# Altium PCB radioboard.PcbDoc (part 1 of 9) (continued)
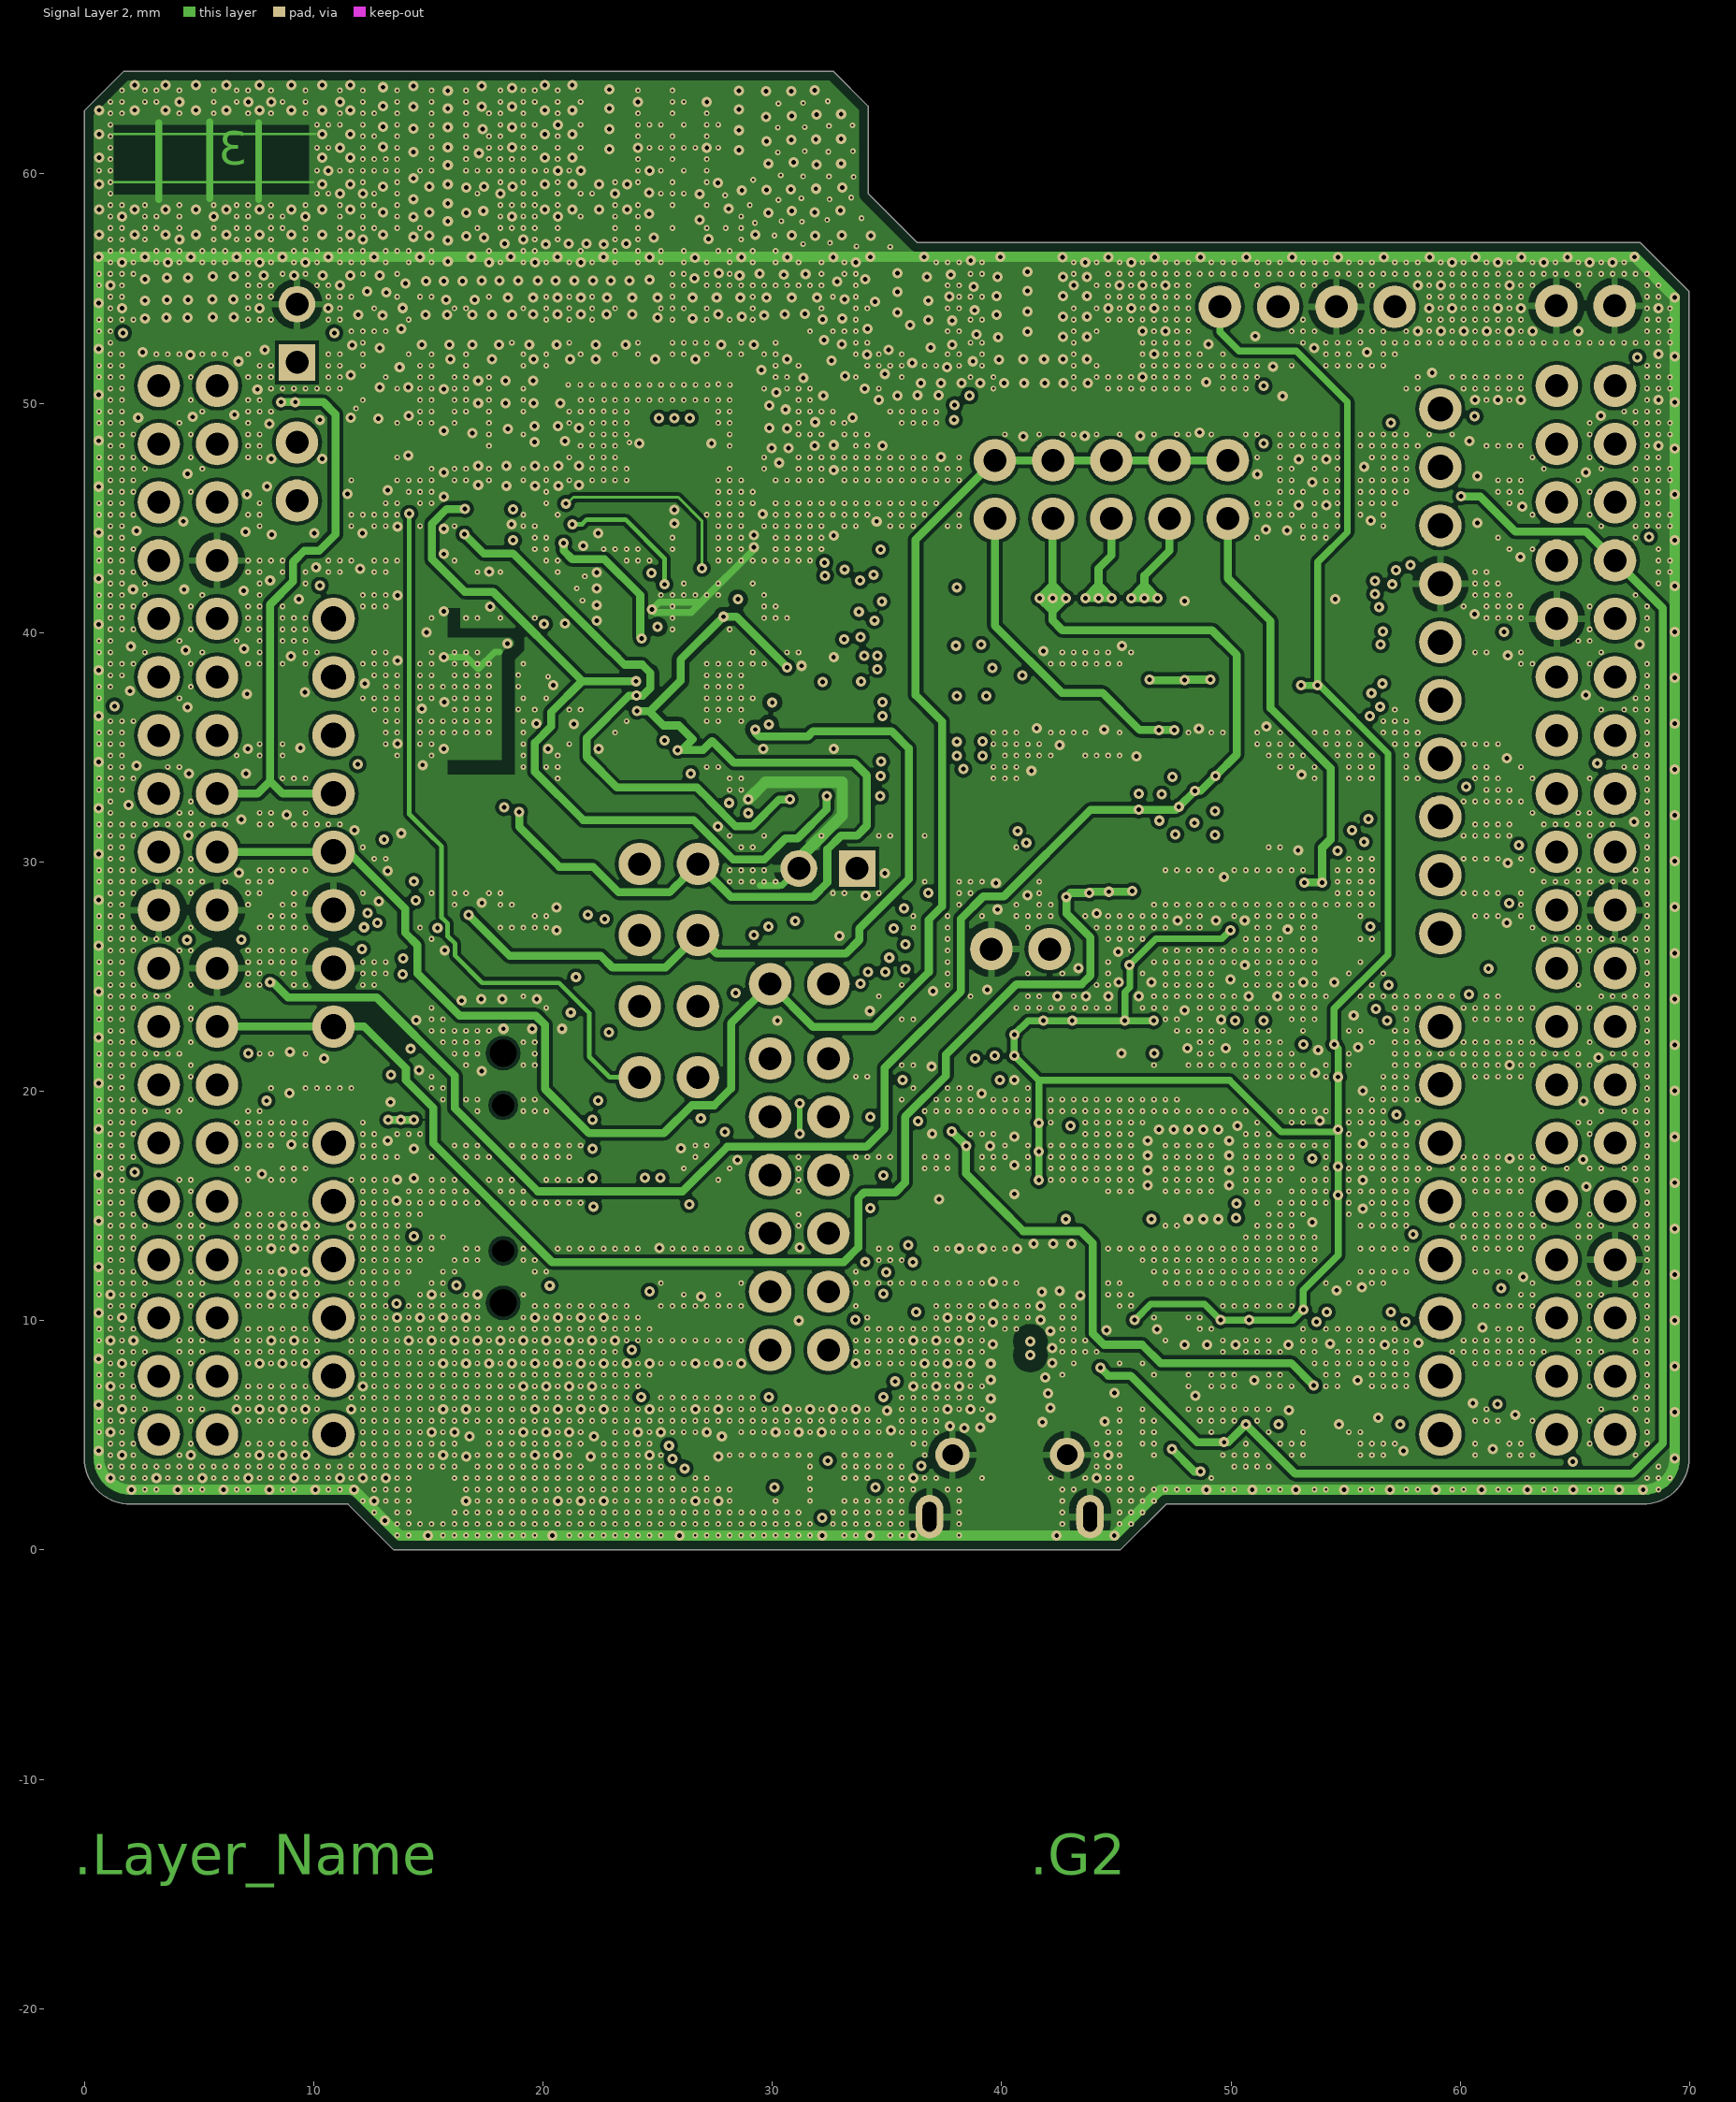
[diagram p3: Signal Layer 2]
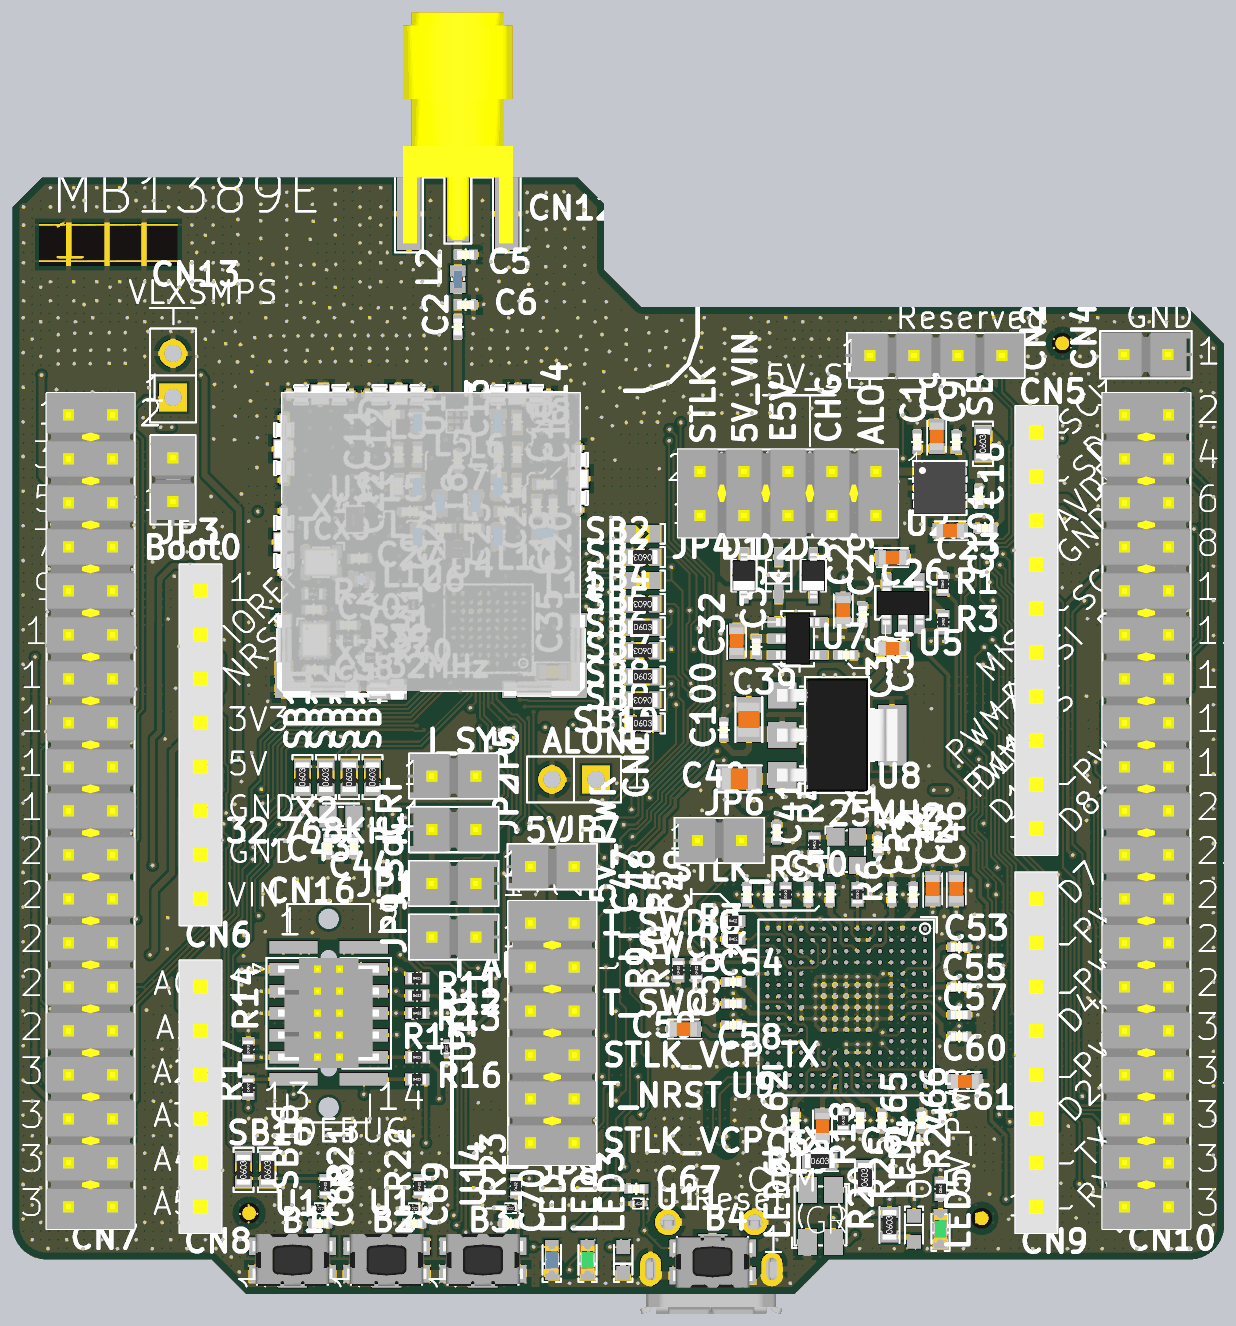
[diagram p12: 3D render of the assembled board from above, using the file's embedded part models]
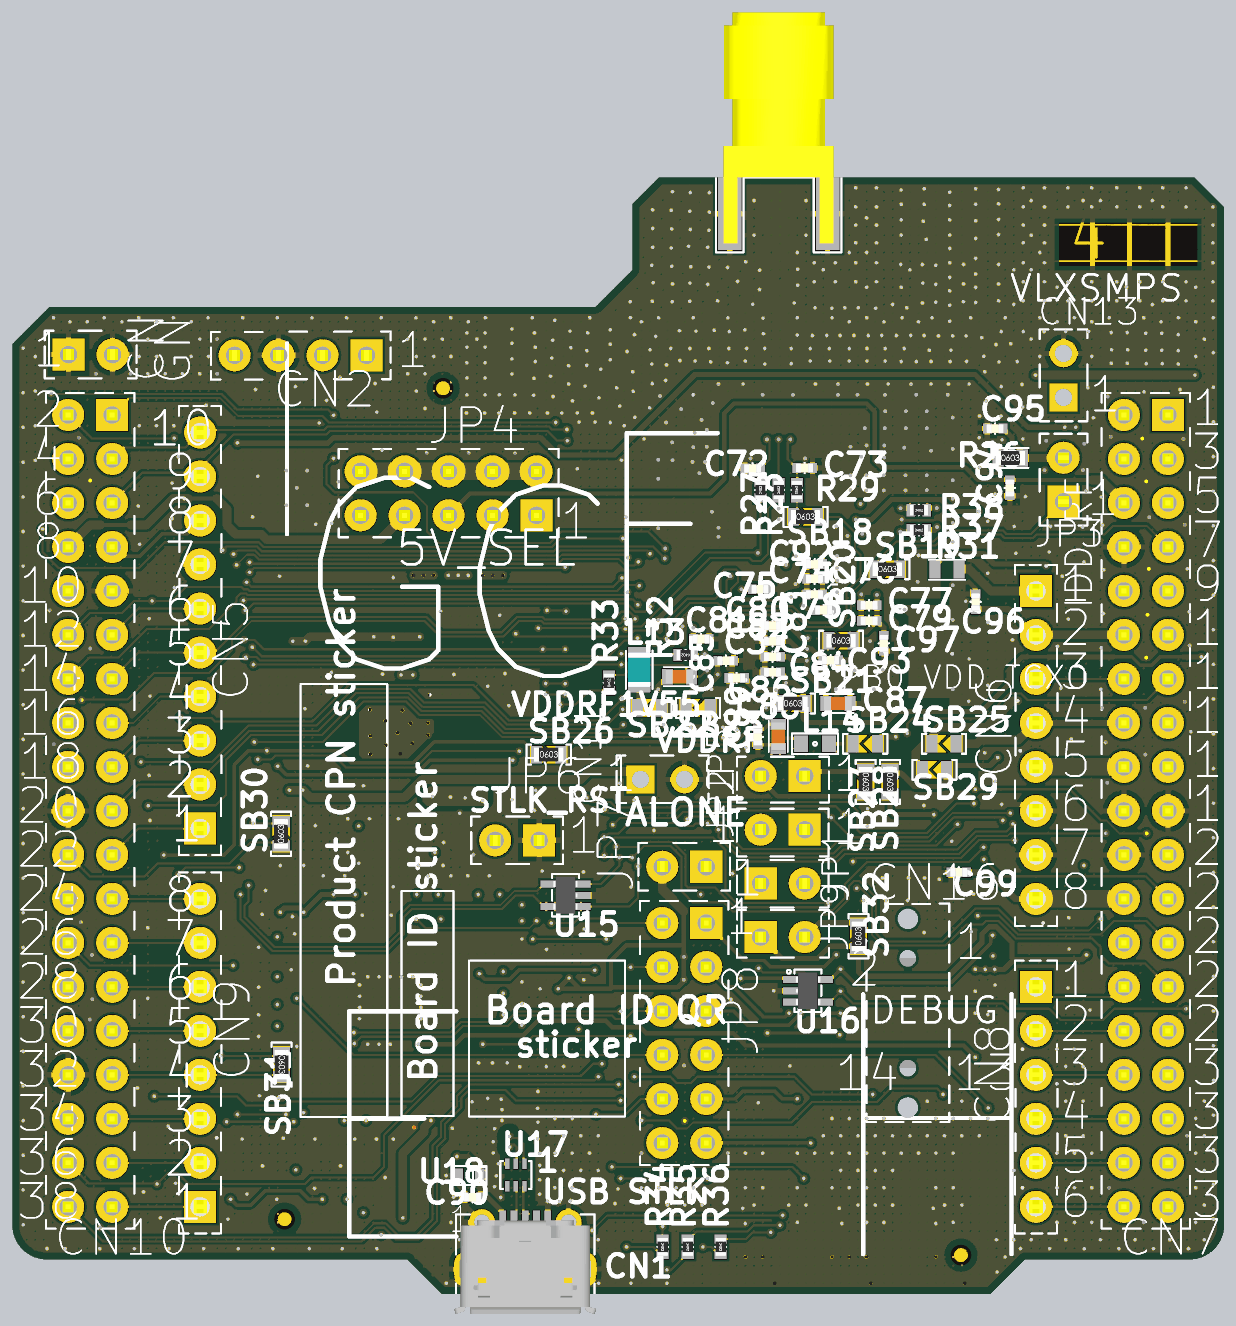
[diagram p13: 3D render of the assembled board from below, using the file's embedded part models]

## Layer stack, top to bottom
Top Solder: solder mask 0.02, Solder Resist, Dk 3.5
Top Layer: signal copper 0.035
Dielectric 1: prepreg 0.076, 1080HR RC68, Dk 4.18
Signal Layer 1: signal copper 0.035
Dielectric 2: core 1.268, 7 x 7628, Dk 4.74
Signal Layer 2: signal copper 0.035
Dielectric 3: prepreg 0.076, 1080HR RC68, Dk 4.18
Bottom Layer: signal copper 0.035
Bottom Solder: solder mask 0.02, Solder Resist, Dk 3.5

## Board outline
2,2 11.498,2 13.498,0 45.17,0 47.17,2 67.972,2 ccw(c67.972,4) 69.972,4 69.972,54.877 67.848,57 36.316,57 36.316,57.001 34.174,59.143 34.174,62.953 32.65,64.477 1.723,64.477 0,62.751 0,4 ccw(c2,4)

## Design rules (kind name [scope] priority, off if disabled: settings)
BoardOutlineClearance [All] p1: gap=0.4 ignorepadtopadclearanceinfootprint=FALSE
Clearance "Stitching GND L1-2" [IsStitchingVia and InNet('GND') vs (IsVia and (Not IsStitchingVia)) Or IsPad] p1: gap=0.12 ignorepadtopadclearanceinfootprint=FALSE
Clearance Clearance_BGA-U13 [WithinRoom('RoomDefinition_U13_90-90') And TouchesRoom('RoomDefinition_U13_90-90')] p2: gap=0.12 ignorepadtopadclearanceinfootprint=TRUE except(0.09: Track-Track Track-SMDPad; 0.11: Arc-Via Track-Via SMDPad-Via THPad-Via Via-Via; 0.2: Arc-THPad Arc-Fill Arc-Poly Track-THPad Track-Fill Track-Poly SMDPad-SMDPad SMDPad-THPad SMDPad-Fill SMDPad-Poly THPad-THPad THPad-Fill THPad-Poly Via-Fill Via-Poly Fill-Fill Fill-Poly Poly-Poly)
Clearance Clearance_RFI_DIFF-100R_L1-L2 [InNetClass('NC_RFI_DIFF-100R_L1-L2')] p3: gap=0.152 ignorepadtopadclearanceinfootprint=TRUE except(0.323: Track-Track; 0.646: Arc-Poly Track-Poly SMDPad-Poly THPad-Poly Via-Poly Fill-Poly Poly-Poly)
Clearance Clearance_USB_DEV_HS_CN_DIFF-90R_L4-L3 [InNetClass('NC_USB_DEV_HS_CN_DIFF-90R_L4-L3')] p4: gap=0.152 ignorepadtopadclearanceinfootprint=TRUE except(0.262: Track-Track; 0.524: Arc-Poly Track-Poly SMDPad-Poly THPad-Poly Via-Poly Fill-Poly Poly-Poly)
Clearance Clearance_USB_DEV_HS_DIFF-90R_L4-L3 [InNetClass('NC_USB_DEV_HS_DIFF-90R_L4-L3')] p5: gap=0.152 ignorepadtopadclearanceinfootprint=TRUE except(0.262: Track-Track; 0.524: Arc-Poly Track-Poly SMDPad-Poly THPad-Poly Via-Poly Fill-Poly Poly-Poly)
Clearance Clearance_TX_SINGLE_L1-L2 [InNetClass('NC_TX_SINGLE_L1-L2')] p6: gap=0.152 ignorepadtopadclearanceinfootprint=TRUE except(0.2: SMDPad-SMDPad Fill-Fill; 0.3: Poly-Poly)
Clearance Clearance_RFO_SINGLE_L1-L2 [InNetClass('NC_RFO_SINGLE_L1-L2')] p7: gap=0.152 ignorepadtopadclearanceinfootprint=TRUE except(0.2: SMDPad-SMDPad Fill-Fill; 0.3: Poly-Poly)
Clearance Clearance_RF-SP3T_SINGLE-50R_L1-L3 [InNetClass('NC_RF-SP3T_SINGLE-50R_L1-L3')] p8: gap=0.145 ignorepadtopadclearanceinfootprint=TRUE except(0.2: SMDPad-SMDPad Fill-Fill; 0.3: Poly-Poly)
Clearance Clearance_TX-SP3T_SINGLE-50R_L1-L2 [InNetClass('NC_TX-SP3T_SINGLE-50R_L1-L2')] p9: gap=0.152 ignorepadtopadclearanceinfootprint=TRUE except(0.2: SMDPad-SMDPad Fill-Fill; 0.3: Poly-Poly)
Clearance Clearance_RF_SINGLE-50R_L2-L1-2 [InNetClass('NC_RF_SINGLE-50R_L2-L1-2')] p10: gap=0.152 ignorepadtopadclearanceinfootprint=TRUE except(0.2: SMDPad-SMDPad Fill-Fill; 0.3: Poly-Poly)
Clearance Clearance_Default [All] p11: gap=0.12 ignorepadtopadclearanceinfootprint=TRUE except(0.152: Arc-Poly Track-Poly SMDPad-Poly THPad-Poly Via-Poly Fill-Poly; 0.2: Arc-Fill Track-Fill SMDPad-SMDPad SMDPad-Fill THPad-Fill Via-Fill Fill-Fill; 0.3: Poly-Poly)
ComponentClearance [All] p1 off: gap=0.025 collisioncheckmode=3 verticalgap=2540 showdistances=TRUE
DiffPairsRouting DiffPairsRouting_RFI_DIFF-100R_L1-L2 [InDifferentialPairClass('PC_RFI_DIFF-100R')] p1: maxlimit=0.323 minlimit=0.323 mostfreqgap=0.323 toplayer_minwidth=0.097 toplayer_maxwidth=0.097 toplayer_prefwidth=0.097 midlayer1_minwidth=0.097 midlayer1_maxwidth=0.097 midlayer1_prefwidth=0.097 midlayer2_minwidth=0.097 midlayer2_maxwidth=0.097 midlayer2_prefwidth=0.097 bottomlayer_minwidth=0.097 bottomlayer_maxwidth=0.097 bottomlayer_prefwidth=0.097 maxuncoupledlength=12.7
DiffPairsRouting DiffPairsRouting_USB_DEV_HS_CN-90R_L4-L3 [InDifferentialPairClass('PC_USB_DEV_HS_CN_DIFF-90R')] p2: maxlimit=0.262 minlimit=0.262 mostfreqgap=0.262 toplayer_minwidth=0.124 toplayer_maxwidth=0.124 toplayer_prefwidth=0.124 midlayer1_minwidth=0.124 midlayer1_maxwidth=0.124 midlayer1_prefwidth=0.124 midlayer2_minwidth=0.124 midlayer2_maxwidth=0.124 midlayer2_prefwidth=0.124 bottomlayer_minwidth=0.124 bottomlayer_maxwidth=0.124 bottomlayer_prefwidth=0.124 maxuncoupledlength=12.7
DiffPairsRouting DiffPairsRouting_USB_DEV_HS-90RL4-L3 [InDifferentialPairClass('PC_USB_DEV_HS_DIFF-90R')] p3: maxlimit=0.262 minlimit=0.262 mostfreqgap=0.262 toplayer_minwidth=0.124 toplayer_maxwidth=0.124 toplayer_prefwidth=0.124 midlayer1_minwidth=0.124 midlayer1_maxwidth=0.124 midlayer1_prefwidth=0.124 midlayer2_minwidth=0.124 midlayer2_maxwidth=0.124 midlayer2_prefwidth=0.124 bottomlayer_minwidth=0.124 bottomlayer_maxwidth=0.124 bottomlayer_prefwidth=0.124 maxuncoupledlength=12.7
FanoutControl Fanout_BGA [IsBGA] p1: bgadir=Out bgaviamode=Closest fanoutstyle=Auto fanoutdirection=Alternating viagrid=0.025 // Fanout_BGA (Default Rule)
FanoutControl Fanout_LCC [IsLCC] p2: bgadir=Out bgaviamode=Closest fanoutstyle=Auto fanoutdirection=Alternating viagrid=0.025 // Fanout_LCC (Default Rule)
FanoutControl Fanout_SOIC [IsSOIC] p3: bgadir=Out bgaviamode=Closest fanoutstyle=Auto fanoutdirection=Alternating viagrid=0.025 // Fanout_SOIC (Default Rule)
FanoutControl Fanout_Small [(CompPinCount < 5)] p4: bgadir=Out bgaviamode=Closest fanoutstyle=Auto fanoutdirection=OutThenIn viagrid=0.025 // Fanout_Small (Default Rule)
FanoutControl Fanout_Default [All] p5: bgadir=Out bgaviamode=Closest fanoutstyle=Auto fanoutdirection=Alternating viagrid=0.025 // Fanout_Default (Default Rule)
Height [All] p1 off: minheight=0 maxheight=100 prefheight=0.5
HoleSize [All] p1: absolutevalues=TRUE maxlimit=10 minlimit=0.15 maxpercent=80.000 minpercent=20.000
HoleToHoleClearance [All] p1: gap=0.25 allowstackedmicrovias=TRUE
MaxMinImpedance "Schematic Impedance Constraint_3" [InNet('USB_DEV_HS_N')] p1: minimum=85,00 maximum=95,00
MaxMinImpedance "Schematic Impedance Constraint_2" [InNet('USB_DEV_HS_CN_P')] p2: minimum=85,00 maximum=95,00
MaxMinImpedance "Schematic Impedance Constraint_1" [InNet('USB_DEV_HS_P')] p3: minimum=85,00 maximum=95,00
MaxMinImpedance "Schematic Impedance Constraint" [InNet('USB_DEV_HS_CN_N')] p4: minimum=85,00 maximum=95,00
MinimumSolderMaskSliver [All] p1: minsoldermaskwidth=0
PlaneClearance [All] p1: clearance=0.6
PolygonConnect PolygonConnect_15 [All vs IsNamedPolygon('NETC1_2_L01_P075')] p1: connectstyle=Direct reliefconductorwidth=0.254 reliefentries=4 polygonreliefangle="90 Angle" airgapwidth=0.254
PolygonConnect PolygonConnect_14 [All vs IsNamedPolygon('NETC13_2_L01_P083')] p2: connectstyle=Direct reliefconductorwidth=0.254 reliefentries=4 polygonreliefangle="90 Angle" airgapwidth=0.254
PolygonConnect PolygonConnect_13 [All vs IsNamedPolygon('NETC11_2_L01_P082')] p3: connectstyle=Direct reliefconductorwidth=0.254 reliefentries=4 polygonreliefangle="90 Angle" airgapwidth=0.254
PolygonConnect PolygonConnect_12 [All vs IsNamedPolygon('NETC131_2_L01_P083')] p4: connectstyle=Direct reliefconductorwidth=0.254 reliefentries=4 polygonreliefangle="90 Angle" airgapwidth=0.254
PolygonConnect PolygonConnect_11 [All vs IsNamedPolygon('NETC111_2_L01_P082')] p5: connectstyle=Direct reliefconductorwidth=0.254 reliefentries=4 polygonreliefangle="90 Angle" airgapwidth=0.254
PolygonConnect PolygonConnect_10 [All vs IsNamedPolygon('5V_VIN_L01_P084')] p6: thpad.connectstyle=Relief thpad.reliefconductorwidth=0.3 thpad.reliefentries=4 thpad.polygonreliefangle="90 Angle" thpad.airgapwidth=0.3 smdpad.connectstyle=Relief smdpad.reliefconductorwidth=0.3 smdpad.reliefentries=4 smdpad.polygonreliefangle="90 Angle" smdpad.airgapwidth=0.3 via.connectstyle=Relief via.reliefconductorwidth=0.254 via.reliefentries=4 via.polygonreliefangle="90 Angle" via.airgapwidth=0.254
PolygonConnect PolygonConnect_9 [All vs IsNamedPolygon('5V_VIN_L01_P084')] p7: connectstyle=Relief reliefconductorwidth=0.254 reliefentries=4 polygonreliefangle="90 Angle" airgapwidth=0.254
PolygonConnect PolygonConnect_8 [All vs IsNamedPolygon('5V_VIN_L01_P084')] p8: connectstyle=Direct reliefconductorwidth=0.254 reliefentries=4 polygonreliefangle="90 Angle" airgapwidth=0.254
PolygonConnect PolygonConnect_7 [All vs IsNamedPolygon('5V_VIN_L01_P085')] p9: connectstyle=Direct reliefconductorwidth=0.254 reliefentries=4 polygonreliefangle="90 Angle" airgapwidth=0.254
PolygonConnect PolygonConnect_6 [All vs IsNamedPolygon('VIN_L01_P088')] p10: connectstyle=Direct reliefconductorwidth=0.254 reliefentries=4 polygonreliefangle="90 Angle" airgapwidth=0.254
PolygonConnect PolygonConnect_5 [All vs IsNamedPolygon('VIN_L01_P057')] p11: connectstyle=Direct reliefconductorwidth=0.254 reliefentries=4 polygonreliefangle="90 Angle" airgapwidth=0.254
PolygonConnect PolygonConnect_4 [All vs IsNamedPolygon('5V_VIN_L01_P051')] p12: connectstyle=Direct reliefconductorwidth=0.254 reliefentries=4 polygonreliefangle="90 Angle" airgapwidth=0.254
PolygonConnect PolygonConnect_3 [All vs IsNamedPolygon('NETC131_2_L01_P034')] p13: connectstyle=Direct reliefconductorwidth=0.254 reliefentries=4 polygonreliefangle="90 Angle" airgapwidth=0.254
PolygonConnect PolygonConnect_2 [All vs IsNamedPolygon('NETC111_2_L01_P033')] p14: connectstyle=Direct reliefconductorwidth=0.254 reliefentries=4 polygonreliefangle="90 Angle" airgapwidth=0.254
PolygonConnect PolygonConnect_1 [All vs IsNamedPolygon('NETC131_2_L01_P026')] p15: connectstyle=Direct reliefconductorwidth=0.254 reliefentries=4 polygonreliefangle="90 Angle" airgapwidth=0.254
PolygonConnect [All vs IsNamedPolygon('NETC111_2_L01_P004')] p16: connectstyle=Direct reliefconductorwidth=0.254 reliefentries=4 polygonreliefangle="90 Angle" airgapwidth=0.254
PolygonConnect PolygonConnect__Default [All] p17: thpad.connectstyle=Relief thpad.reliefconductorwidth=0.3 thpad.reliefentries=4 thpad.polygonreliefangle="90 Angle" thpad.airgapwidth=0.3 smdpad.connectstyle=Relief smdpad.reliefconductorwidth=0.3 smdpad.reliefentries=4 smdpad.polygonreliefangle="90 Angle" smdpad.airgapwidth=0.3 via.connectstyle=Direct via.reliefconductorwidth=0.254 via.reliefentries=4 via.polygonreliefangle="45 Angle" via.airgapwidth=0.254
RoomDefinition RoomDefinition_U13_90-90 [InComponentClass('Room Definition 1')] p1: confinementstyle=ConfineIn formatcopy=TRUE lockcomponents=FALSE outline 24.45,35.362 24.45,41.475 30.468,41.475 30.468,35.362
RoutingVias RoutingVias_Default [InDrillLayerPair('Top Layer - Bottom Layer')] p1: holewidth=0.2 width=0.45 viastyle="Through Hole" minholewidth=0.2 minwidth=0.45 maxholewidth=0.2 maxwidth=0.45
RoutingVias RoutingVias_laser_L1-2 [InDrillLayerPair('Top Layer - Signal Layer 1')] p2: holewidth=0.1 width=0.25 viastyle="Through Hole" minholewidth=0.1 minwidth=0.25 maxholewidth=0.1 maxwidth=0.25
RoutingVias RoutingVias_laser_L3-4 [InDrillLayerPair('Signal Layer 2 - Bottom Layer')] p3: holewidth=0.1 width=0.25 viastyle="Through Hole" minholewidth=0.1 minwidth=0.25 maxholewidth=0.1 maxwidth=0.25
SilkToSilkClearance [All] p1: silktosilkclearance=0
SilkToSolderMaskClearance [IsPad] p1: minsilkscreentomaskgap=0 clearancetoexposedcopper=TRUE
SolderMaskExpansion [All] p1: expansion=0.05
Width Width_BGA-U13 [WithinRoom('RoomDefinition_U13_90-90') And TouchesRoom('RoomDefinition_U13_90-90')] p1: maxlimit=1 minlimit=0.09 preferedwidth=0.09 minimp=50.000000 maximp=50.000000 favimp=50.000000
Width Width_ALIMS [InNetClass('NC_ALIMS')] p2: maxlimit=10 minlimit=0.15 preferedwidth=0.35 minimp=50.000000 maximp=50.000000 favimp=50.000000
Width Width_GND [InNetClass('NC_GND')] p3: maxlimit=10 minlimit=0.12 preferedwidth=0.3 midlayer1_minwidth=0.2 midlayer2_minwidth=0.2 bottomlayer_minwidth=0.2 minimp=50.000000 maximp=50.000000 favimp=50.000000
Width Width_TX_SINGLE_L1-L2 [InNetClass('NC_TX_SINGLE_L1-L2')] p4: maxlimit=0.55 minlimit=0.14 preferedwidth=0.55 minimp=50.000000 maximp=50.000000 favimp=50.000000
Width Width_RF-SP3T_SINGLE-50R_L1-L3 [InNetClass('NC_RF-SP3T_SINGLE-50R_L1-L3')] p5: maxlimit=0.5 minlimit=0.14 preferedwidth=0.5 minimp=50.000000 maximp=50.000000 favimp=50.000000
Width Width_RFO_SINGLE_L1-L2 [InNetClass('NC_RFO_SINGLE_L1-L2')] p6: maxlimit=0.21 minlimit=0.21 preferedwidth=0.21 minimp=50.000000 maximp=50.000000 favimp=50.000000
Width Width_TX-SP3T_SINGLE-50R_L1-L2 [InNetClass('NC_TX-SP3T_SINGLE-50R_L1-L2')] p7: maxlimit=0.55 minlimit=0.11 preferedwidth=0.11 minimp=50.000000 maximp=50.000000 favimp=50.000000
Width Width_RF_SINGLE-50R_L2-L1-2 [InNetClass('NC_RF_SINGLE-50R_L2-L1-2')] p8: maxlimit=0.11 minlimit=0.1 preferedwidth=0.11 toplayer_minwidth=0.11 midlayer1_maxwidth=0.1 midlayer1_prefwidth=0.1 midlayer2_maxwidth=0.1 midlayer2_prefwidth=0.1 bottomlayer_minwidth=0.11 minimp=50.000000 maximp=50.000000 favimp=50.000000
Width Width_Default [All] p9: maxlimit=10 minlimit=0.12 preferedwidth=0.12 minimp=50.000000 maximp=50.000000 favimp=50.000000
16 further rules are at their usual default settings.

## Classes and differential pairs
net class NC_TX-SP3T_SINGLE-50R_L1-L2: NetC7_2 NetC8_2
net class NC_RF-SP3T_SINGLE-50R_L1-L3: NetC2_1 NetC5_2
net class NC_RFI_DIFF-100R_L1-L2: RFI_N RFI_P
net class NC_USB_DEV_HS_CN_DIFF-90R_L4-L3: USB_DEV_HS_CN_N USB_DEV_HS_CN_P
net class NC_USB_DEV_HS_DIFF-90R_L4-L3: USB_DEV_HS_N USB_DEV_HS_P
differential pair class PC_RFI_DIFF-100R: RFI
differential pair class PC_USB_DEV_HS_CN_DIFF-90R: USB_DEV_HS_CN
differential pair class PC_USB_DEV_HS_DIFF-90R: USB_DEV_HS
component class BGA-U13: U16
net class NC_ALIMS: 3V3 3V3_STLK 5V 5V_USB_CHGR 5V_USB_STLK 5V_VIN E5V PB0_VDD_TCXO STD_ALONE_5V VBAT VDD_APP VDD_MCU VDD_RF VDD_SYS VDDPA VDDRF VDDRF1V55 VIN
net class NC_GND: AVDD GND GNDDetect
net class NC_TX_SINGLE_L1-L2: NetC13_2 NetC15_1 NetC16_2
net class NC_RF_SINGLE-50R_L2-L1-2: NetC17_2
differential pair RFI: +RFI_P -RFI_N
differential pair USB_DEV_HS: +USB_DEV_HS_P -USB_DEV_HS_N
differential pair USB_DEV_HS_CN: +USB_DEV_HS_CN_P -USB_DEV_HS_CN_N

## Components (designator, comment, footprint, x,y, rotation, side; value= is the part's Value field where it differs from the comment)
B1 "" SWI_C&K_Y78B23110FP__ITT_KMR231GLFS 16.177,1.968 r180 top value=KMR231GLFS
B2 "" SWI_C&K_Y78B23110FP__ITT_KMR231GLFS 21.611,1.968 r180 top value=KMR231GLFS
B3 "" SWI_C&K_Y78B23110FP__ITT_KMR231GLFS 27.174,1.968 r180 top value=KMR231GLFS
B4 "" SWI_C&K_Y78B23110FP__ITT_KMR231GLFS 40.433,1.866 r0 top value=KMR231GLFS
C2 "" C0402 25.725,55.85 r270 top value=33pF
C5 "" C0402 26.175,60.025 r180 top value=3.3pF
C6 "" C0402 26.175,57.125 r180 top value=3.3pF
C7 "Capacitor" C0402 21.9,50.8 r0 top value=1.2pF
C8 "" C0402 29.15,50.35 r90 top value=1.3pF
C9 "" C0603#1 53.375,49.525 r270 top value=1uF
C10 "" C0402 52.25,49.2 r270 top value=100nF
C11 "Capacitor" C0402 22.3,48.475 r270 top value=5.6pF
C12 "Capacitor" C0402 23.4,48.475 r90 top value=68pF
C13 "" C0402 28.05,48.475 r270 top value=33pF
C14 "" C0402 29.15,48.475 r270 top value=3.3pF
C15 "Capacitor" C0402 22.3,46.65 r90 top value=2.2pF
C16 "" C0402 29.15,46.65 r270 top value=2.7pF
C17 "Capacitor" C0402 30.75,46.75 r0 top value=1pF
C18 "" C0402 55.8,46.05 r270 top value=100nF
C19 "" C0402 30.275,45.45 r270 top value=2.7pF
C20 "" C0402 31.225,45.45 r90 top value=3.6pF
C21 "" C0402 28.5,45.175 r180 top value=5.6pF
C22 "Capacitor" C0402 22.95,45.175 r0 top value=1.2pF
C23 "" C0603#1 54.15,44.075 r0 top value=1uF
C24 "" C0402 24.875,44.225 r0 top value=33pF
C25 "" C0402 26.575,44.225 r0 top value=33pF
C26 "" C0603#1 50.825,42.525 r180 top value=1uF
C27 "" C0402 20.025,42.475 r180 top value=10nF
C28 "" C0603#1 47.975,39.5 r270 top value=1uF
C29 "" C0402 49.1,39.25 r270 top value=100nF
C30 "" C0402 17.4,39.525 r180 top value=6.8pF
C31 "Capacitor" C0402 19.4,38.625 r0 top value=10pF
C32 "" C0603#1 41.825,37.7 r270 top value=1uF
C33 "" C0402 42.95,37.375 r270 top value=100nF
C34 "" C0603#1 50.825,37.275 r180 top value=1uF
C35 "" C0603#2 31.225,35.925 r180 top value=4.7uF
C36 "" C0402 48.15,36.9 r180 top value=10nF
C37 "" C0402 28.775,36.575 r180 bottom value=100nF
C38 "" C0402 17.475,36.025 r0 top value=6.8pF
C39 "" C0805 42.525,33.175 r270 top value=10uF
C40 "" C0805 41.975,29.75 r0 top value=10uF
C41 "" C0402 44.14,26.65 r270 top value=100nF
C42 "" C0402 49.975,25.95 r90 top value=100nF
C43 "" C0402 18.225,25.85 r270 top value=5.1pF
C44 "" C0402 19.725,25.85 r270 top value=5.1pF
C45 "" C0603#1 53.15,23.4 r270 top value=1uF
C46 "" C0603#1 54.5,23.4 r270 top value=4.7uF
C47 "" C0402 42.425,23.075 r270 top value=100nF
C48 "" C0402 43.675,23.075 r270 top value=100nF
C49 "" C0402 45.975,23.075 r270 top value=100nF
C50 "" C0402 47.225,23.075 r270 top value=100nF
C51 "" C0402 50.775,23.075 r270 top value=100nF
C52 "" C0402 52.025,23.075 r270 top value=100nF
C53 "" C0402 54.675,20.025 r180 top value=100nF
C54 "" C0402 41.625,18.025 r0 top value=100nF
C55 "" C0402 54.675,17.725 r180 top value=100nF
C56 "" C0402 41.625,16.775 r0 top value=100nF
C57 "" C0402 54.675,16.125 r180 top value=100nF
C58 "" C0402 41.625,15.525 r0 top value=100nF
C59 "" C0603#1 38.75,15.3 r0 top value=2.2uF
C60 "" C0402 54.675,14.875 r180 top value=100nF
C61 "" C0603#1 55,12.275 r180 top value=2.2uF
C62 "" C0402 45.2,10.025 r90 top value=100nF
C63 "" C0603#1 46.775,9.7 r90 top value=2.2uF